# Altium PCB Jetson AGX Xavier Carrier Board.PcbDoc (part 2 of 4) (continued)
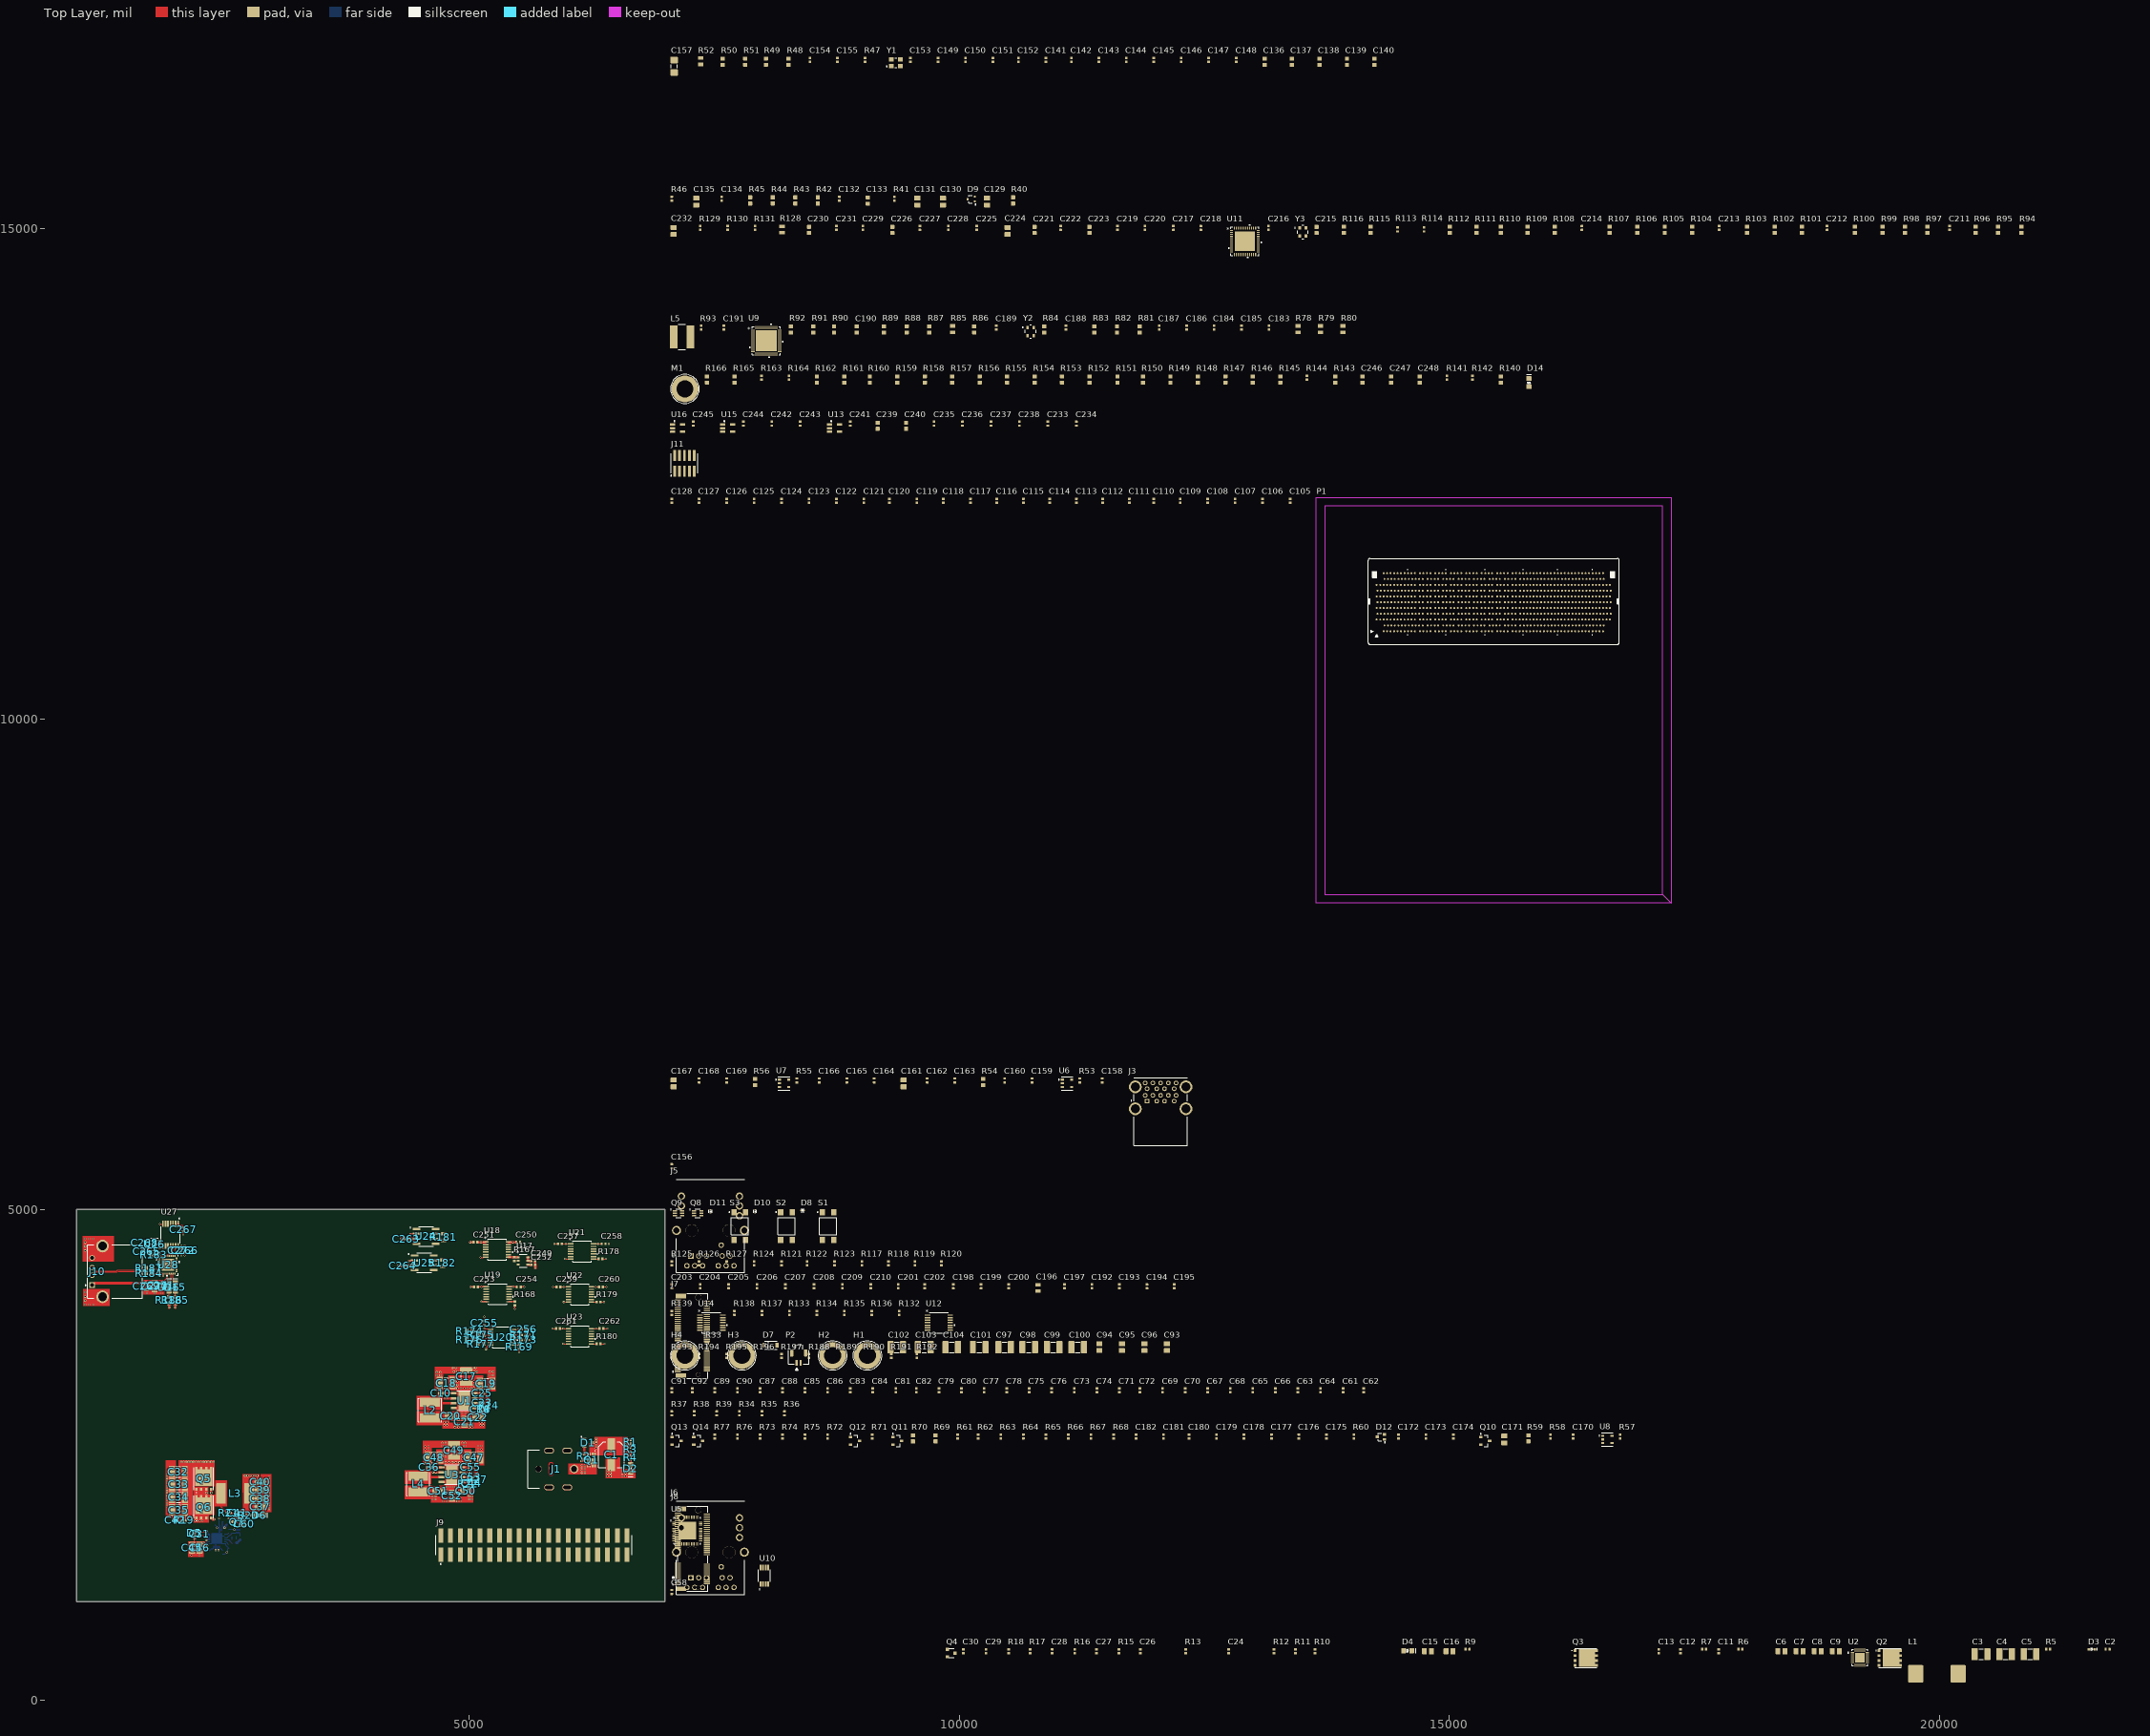
[diagram p0: Top Layer view]
## Footprints (in the part's own frame and the unit in brackets; to place one, negate y for a bottom-side part, rotate by r counter-clockwise, add the part's x,y. Pads: shape width x height; smd on the part's side, far side on the other; paste and mask are expansions set on the pad) (continued)
  round 0.5 on Top Overlay: ""(-30.4,-7.5)
  Top Layer keep-out region: 43.7,-75.665 43.7,24.935 -43.9,24.935 -43.9,-75.665 43.7,-75.665 45.9,-77.865 -46.1,-77.865 -46.1,27.135 45.9,27.135 45.9,-77.865
  silkscreen extent -32.61,-10.96 32.41,11.36, body extent -32.45,-10.8 32.25,11.2, height 7.66
AP2171DWG-7 [mm]
  rrect5% 0.8x0.55 smd mask+0: 1(-1.2,0.95) 2(-1.2,0) 3(-1.2,-0.95) 4(1.2,-0.95) 5(1.2,0.95)
  silkscreen extent -2.19,-1.7 1.5,1.7, body extent -1.5,-1.55 1.5,1.55, height 1.45
ASTMLPE_ABR [mil]
  rect 28x35 smd paste+0: 1(-31.5,41.35) 2(-31.5,-41.35) 3(31.5,-41.35) 4(31.5,41.35)
  silkscreen extent -84,-69 55,69, body extent -46,-64 46,64, height 32
BZX84-C27,215 [mm] "DIODE ZENER 27V 250MW TO236AB"
  rrect15% 0.7x1 smd mask+0.1: 1(0.95,1) 2(-0.95,1) 3(0,-1)
  silkscreen extent 1.38,1.6 1.62,1.85, body extent -1.5,-1.25 1.5,1.25, height 1.11
CAP0402 [mm] "Chip Capacitor, Body 1x0.5mm, Height 0.35mm, IPC Medium Density"
  rrect15% 0.6x0.7 smd: 1(-0.5,0) 2(0.5,0)
  body extent -0.52,-0.28 0.52,0.28, height 0.54
CAP0603 [mm]
  rrect20% 1x1.1 smd: 1(-0.8,0) 2(0.8,0)
  body extent -0.87,-0.48 0.88,0.48, height 0.87
CAP0805 [mm] "Chip Capacitor, Body 2.0x1.2mm, Height 0.45mm, IPC Medium Density"
  rrect15% 0.9x1.4 smd: 1(-0.825,0) 2(0.825,0)
  body extent -1.1,-0.73 1.1,0.73, height 1.39
CAP1206 [mm] "Chip Capacitor, Body 3.2x1.6mm, Height 0.55mm, IPC Medium Density"
  rrect20% 1.75x1.9 smd: 1(-1.6,0) 2(1.6,0)
  silkscreen extent -0.45,-0.8 0.45,0.8, body extent -1.7,-0.9 1.7,0.9, height 0.88
CAP1210 [mm]
  rrect15% 1.6x3.15 smd: 1(-1.625,0) 2(1.625,0)
  silkscreen extent -0.6,-1.35 0.6,1.35, body extent -1.7,-1.35 1.7,1.35, height 2.1
CAP2012 [mm]
  rrect20% 1.25x1.6 smd: 1(-0.895,0) 2(0.895,0)
  body extent -1.1,-0.7 1.1,0.75, height 1.41
CUI_PJ-082BH [mm]
  round 2.25 hole 1.5: 1(5.5,0)
  rect 0.1x0.635 smd: 2(-1,0.2)
  oval 2.5x1.5 hole 0.8 slot 2 at 0 deg: 2(-1,4.75) ""(-1,-4.75) ""(3.7,-4.75) ""(3.7,4.75)
  round 0.8 hole 0.85 slot 2.1 at 90 deg: 2(-0.5,0)
  round 1.7 hole 1.7 unplated: ""(-3.75,0)
  Top Layer lines w0.3: -2.15,-4.75 cw(c-1.6,-4.75) -1.6,-4.2 -0.4,-4.2 cw(c-0.4,-4.75) 0.15,-4.75 cw(c-0.4,-4.75) -0.4,-5.3 -1.6,-5.3 cw(c-1.6,-4.75) -2.15,-4.75 ; -2.15,4.75 cw(c-1.6,4.75) -1.6,5.3 -0.4,5.3 cw(c-0.4,4.75) 0.15,4.75 cw(c-0.4,4.75) -0.4,4.2 -1.6,4.2 cw(c-1.6,4.75) -2.15,4.75 ; -1.05,-1.1 ccw(c-0.5,-1.1) -0.5,-1.65 ccw(c-0.5,-1.1) 0.05,-1.1 0.05,1.1 ccw(c-0.5,1.1) -0.5,1.65 ccw(c-0.5,1.1) -1.05,1.1 -1.05,-1.1 ; 2.55,-4.75 cw(c3.1,-4.75) 3.1,-4.2 4.3,-4.2 cw(c4.3,-4.75) 4.85,-4.75 cw(c4.3,-4.75) 4.3,-5.3 3.1,-5.3 cw(c3.1,-4.75) 2.55,-4.75 ; 2.55,4.75 cw(c3.1,4.75) 3.1,5.3 4.3,5.3 cw(c4.3,4.75) 4.85,4.75 cw(c4.3,4.75) 4.3,4.2 3.1,4.2 cw(c3.1,4.75) 2.55,4.75
  Bottom Layer lines w0.3: -2.15,-4.75 cw(c-1.6,-4.75) -1.6,-4.2 -0.4,-4.2 cw(c-0.4,-4.75) 0.15,-4.75 cw(c-0.4,-4.75) -0.4,-5.3 -1.6,-5.3 cw(c-1.6,-4.75) -2.15,-4.75 ; -2.15,4.75 cw(c-1.6,4.75) -1.6,5.3 -0.4,5.3 cw(c-0.4,4.75) 0.15,4.75 cw(c-0.4,4.75) -0.4,4.2 -1.6,4.2 cw(c-1.6,4.75) -2.15,4.75 ; -1.05,-1.1 ccw(c-0.5,-1.1) -0.5,-1.65 ccw(c-0.5,-1.1) 0.05,-1.1 0.05,1.1 ccw(c-0.5,1.1) -0.5,1.65 ccw(c-0.5,1.1) -1.05,1.1 -1.05,-1.1 ; 2.55,-4.75 cw(c3.1,-4.75) 3.1,-4.2 4.3,-4.2 cw(c4.3,-4.75) 4.85,-4.75 cw(c4.3,-4.75) 4.3,-5.3 3.1,-5.3 cw(c3.1,-4.75) 2.55,-4.75 ; 2.55,4.75 cw(c3.1,4.75) 3.1,5.3 4.3,5.3 cw(c4.3,4.75) 4.85,4.75 cw(c4.3,4.75) 4.3,4.2 3.1,4.2 cw(c3.1,4.75) 2.55,4.75
  silkscreen extent -6.5,-5 -3.5,5, body extent -6.52,-5.12 6.61,5.08, height 10.15
DMP3007SFG-7 [mm]
  rect 1.55x2.37 smd: 1(0.375,0)
  rrect15% 0.75x0.42 smd: 1(1.475,0.975) 1(1.475,-0.325) 1(1.475,0.325) 1(1.475,-0.975)
  rect 0.75x0.42 smd: 2(-1.5,-0.975) 3(-1.5,0.975) 3(-1.5,-0.325) 3(-1.5,0.325)
  silkscreen extent -2.42,0.95 -2.38,1
FT232RQ-REEL_FTD [mil]
  rect 20x12 smd paste+0 mask+0: 1(-88.43,68.9) 2(-88.43,49.21) 3(-88.43,29.53) 4(-88.43,9.84) 5(-88.43,-9.84) 6(-88.43,-29.53) 7(-88.43,-49.21) 8(-88.43,-68.9) 17(88.43,-68.9) 18(88.43,-49.21) 19(88.43,-29.53) 20(88.43,-9.84) 21(88.43,9.84) 22(88.43,29.53) 23(88.43,49.21) 24(88.43,68.9)
  rect 12x20 smd paste+0 mask+0: 9(-68.9,-88.43) 10(-49.21,-88.43) 11(-29.53,-88.43) 12(-9.84,-88.43) 13(9.84,-88.43) 14(29.53,-88.43) 15(49.21,-88.43) 16(68.9,-88.43) 25(68.9,88.43) 26(49.21,88.43) 27(29.53,88.43) 28(9.84,88.43) 29(-9.84,88.43) 30(-29.53,88.43) 31(-49.21,88.43) 32(-68.9,88.43)
  rect 126x126 smd paste-62.5 mask+0: 33(0,0)
  silkscreen extent -105,-118 118,118, body extent -100,-100 100,100, height 65
FTSH-105-01-F-DV-K-P-TR [mil] "Samtec programming header 10 positions"
  rect 29x110 smd mask+2: 1(-100,-80) 2(-100,80) 3(-50,-80) 4(-50,80) 5(0,-80) 6(0,80) 7(50,-80) 8(50,80) 9(100,-80) 10(100,80)
  silkscreen extent -140,-130 135,100, body extent -125,-175 125,115, height 276
IND_BOURNS_SRN6045 [mil]
  rect 79x236 smd paste+0 mask+0: 1(-85,0) 2(85,0)
  silkscreen extent -36,-127 36,127, body extent -118,-118 118,118, height 177
IND_BOURNS_SRP1250 [mm]
  rrect15% 4x4.5 smd: 1(-5.5,0) 2(5.5,0)
  body extent -6.95,-6.74 6.95,6.74, height 5.94
IND_SRN6045TA-3R3Y [mm]
  rect 2.35x5.1 smd: 1(-2.075,0) 2(2.075,0)
  silkscreen extent -3,-3 3,3, body extent -3,-3 3,3, height 4.2
IND_VISHAY_IHLP3232DZER2R2M11 [mil]
  rrect15% 95x210 smd: 1(-142.5,0) 2(142.5,0)
  body extent -169,-153 169,169, height 152
KSZ9131RNXI [mil]
  rect 30x10 smd paste+0 mask+0: 1(-136,108.27) 2(-136,88.58) 3(-136,68.9) 4(-136,49.21) 5(-136,29.53) 6(-136,9.84) 7(-136,-9.84) 8(-136,-29.53) 9(-136,-49.21) 10(-136,-68.9) 11(-136,-88.58) 12(-136,-108.27) 25(136,-108.27) 26(136,-88.58) 27(136,-68.9) 28(136,-49.21) 29(136,-29.53) 30(136,-9.84) 31(136,9.84) 32(136,29.53) 33(136,49.21) 34(136,68.9) 35(136,88.58) 36(136,108.27)
  rect 10x30 smd paste+0 mask+0: 13(-108.27,-136) 14(-88.58,-136) 15(-68.9,-136) 16(-49.21,-136) 17(-29.53,-136) 18(-9.84,-136) 19(9.84,-136) 20(29.53,-136) 21(49.21,-136) 22(68.9,-136) 23(88.58,-136) 24(108.27,-136) 37(108.27,136) 38(88.58,136) 39(68.9,136) 40(49.21,136) 41(29.53,136) 42(9.84,136) 43(-9.84,136) 44(-29.53,136) 45(-49.21,136) 46(-68.9,136) 47(-88.58,136) 48(-108.27,136)
  rect 203x203 smd paste-101 mask+0: 49(0,0)
  silkscreen extent -171,-171 171,171, body extent -139,-139 139,139, height 36
LAN7430-I/Y9X-ND [mil]
  rect 36x10 smd paste+0 mask+0: 1(-136,108.27) 2(-136,88.58) 3(-136,68.9) 4(-136,49.21) 5(-136,29.53) 6(-136,9.84) 7(-136,-9.84) 8(-136,-29.53) 9(-136,-49.21) 10(-136,-68.9) 11(-136,-88.58) 12(-136,-108.27) 25(136,-108.27) 26(136,-88.58) 27(136,-68.9) 28(136,-49.21) 29(136,-29.53) 30(136,-9.84) 31(136,9.84) 32(136,29.53) 33(136,49.21) 34(136,68.9) 35(136,88.58) 36(136,108.27)
  rect 10x36 smd paste+0 mask+0: 13(-108.27,-136) 14(-88.58,-136) 15(-68.9,-136) 16(-49.21,-136) 17(-29.53,-136) 18(-9.84,-136) 19(9.84,-136) 20(29.53,-136) 21(49.21,-136) 22(68.9,-136) 23(88.58,-136) 24(108.27,-136) 37(108.27,136) 38(88.58,136) 39(68.9,136) 40(49.21,136) 41(29.53,136) 42(9.84,136) 43(-9.84,136) 44(-29.53,136) 45(-49.21,136) 46(-68.9,136) 47(-88.58,136) 48(-108.27,136)
  rect 213x213 smd paste-106 mask+0: 49(0,0)
  silkscreen extent -174,-174 174,174
LED_0805_GREEN [mm] "SMD, 2-Leads, Body 2x1.25mm"
  rrect20% 1.3x1.3 smd: 1(-1.05,0) 2(1.05,0)
  silkscreen extent -0.18,-0.63 2.11,0.64, body extent -1,-0.62 1,0.63, height 1.12
M3_SMT_4-0MM [mm]
  round 7 hole 4.4: 0(0,0)
  silkscreen extent -3.75,-3.75 3.75,3.75, body extent -3,-3 3,3, height 4.01
MMBT4401-7-F [mm]
  rect 0.9x0.8 smd: 1(-1,0.95) 2(-1,-0.95) 3(1,0)
  silkscreen extent -0.67,-1.17 0.67,1.17, body extent -1.2,-1.45 1.2,1.45, height 1.1
MOLEX_0484060003 [mm]
  rect 1.208x1.208 hole 0.7: 1(-3.5,2)
  round 1.208 hole 0.7: 2(-1,2) 3(1,2) 4(3.5,2) 5(4,3.5) 6(2,3.5) 7(0,3.5) 8(-2,3.5) 9(-4,3.5) 10(-3.5,5.2) 11(-1,5.2) 12(1,5.2) 13(3.5,5.2) 14(4,6.7) 15(2,6.7) 16(0,6.7) 17(-2,6.7) 18(-4,6.7)
  round 3.316 hole 2.3: S1(-6.57,0) S2(6.57,0) S3(6.57,5.68) S4(-6.57,5.68)
  silkscreen extent -7.7,-9.44 6.9,8.02, body extent -7.87,-9.49 7.8,7.97, height 16.2
MOSFET_CSD19531Q5A [mm]
  rect 0.75x0.675 smd paste-1: 1(-2.776,-0.66) 1(-2.776,0.66) 1(-2.776,1.917) 2(-2.776,-1.917)
  rect 4.295x4.51 smd paste-3: 3(0.301,0)
  rect 0.655x0.675 smd paste-1: 3(2.776,-1.917) 3(2.776,-0.66) 3(2.776,0.66) 3(2.776,1.917)
  silkscreen extent -3.63,-2.5 2.9,2.5, body extent -3,-2.45 3,2.45, height 1.1
"ON SEMI SOD-123" [mm]
  rrect12% 0.91x1.22 smd: 1(-1.64,0) 2(1.64,0)
  silkscreen extent -1.58,-1.06 1.58,1.06, body extent -1.86,-0.9 1.86,0.9, height 1.35
PULSE_J0G-0003NL [mm]
  rect 1.398x1.398 hole 0.89: 1(-5.075,-6.6)
  round 1.398 hole 0.89: 2(-3.045,-6.6) 3(-1.015,-6.6) 4(2.8,-3.8) 5(3.045,-6.6) 6(5.075,-6.6) 7(-6.095,-9.14) 8(-4.065,-9.14) 9(-2.035,-9.14) 10(2.035,-9.14) 11(4.065,-9.14) 12(6.095,-9.14)
  round 1.905 hole 1.27: 13(-7.52,6.35) 14(-7.52,8.89) 15(7.52,3.81) 16(7.52,6.35) 17(7.52,8.89)
  round 2.355 hole 1.57: SH1(-8.79,0) SH2(8.79,0)
  round 3.2 hole 3.2 unplated: ""(-4.825,0) ""(4.825,0)
  silkscreen extent -9.86,-10.92 8.79,13.21, body extent -8.9,-10.58 9.08,13.98, height 11.31
QFN40P700X700X100-57N [mm]
  rrect25% 0.84x0.22 smd: 1(-3.435,2.6) 2(-3.435,2.2) 3(-3.435,1.8) 4(-3.435,1.4) 5(-3.435,1) 6(-3.435,0.6) 7(-3.435,0.2) 8(-3.435,-0.2) 9(-3.435,-0.6) 10(-3.435,-1) 11(-3.435,-1.4) 12(-3.435,-1.8) 13(-3.435,-2.2) 14(-3.435,-2.6) 29(3.435,-2.6) 30(3.435,-2.2) 31(3.435,-1.8) 32(3.435,-1.4) 33(3.435,-1) 34(3.435,-0.6) 35(3.435,-0.2) 36(3.435,0.2) 37(3.435,0.6) 38(3.435,1) 39(3.435,1.4) 40(3.435,1.8) 41(3.435,2.2) 42(3.435,2.6)
  rrect25% 0.22x0.84 smd: 15(-2.6,-3.435) 16(-2.2,-3.435) 17(-1.8,-3.435) 18(-1.4,-3.435) 19(-1,-3.435) 20(-0.6,-3.435) 21(-0.2,-3.435) 22(0.2,-3.435) 23(0.6,-3.435) 24(1,-3.435) 25(1.4,-3.435) 26(1.8,-3.435) 27(2.2,-3.435) 28(2.6,-3.435) 43(2.6,3.435) 44(2.2,3.435) 45(1.8,3.435) 46(1.4,3.435) 47(1,3.435) 48(0.6,3.435) 49(0.2,3.435) 50(-0.2,3.435) 51(-0.6,3.435) 52(-1,3.435) 53(-1.4,3.435) 54(-1.8,3.435) 55(-2.2,3.435) 56(-2.6,3.435)
  rect 4.6x4.6 smd paste-3: 57(0,0)
  silkscreen extent -4.39,-3.5 3.5,3.5, body extent -3.5,-3.5 3.5,3.5, height 0.98
QFN50P400X400X80-25N [mm]
  rrect25% 0.89x0.26 smd: 1(-1.94,1.25) 2(-1.94,0.75) 3(-1.94,0.25) 4(-1.94,-0.25) 5(-1.94,-0.75) 6(-1.94,-1.25) 13(1.94,-1.25) 14(1.94,-0.75) 15(1.94,-0.25) 16(1.94,0.25) 17(1.94,0.75) 18(1.94,1.25)
  rrect25% 0.26x0.89 smd: 7(-1.25,-1.94) 8(-0.75,-1.94) 9(-0.25,-1.94) 10(0.25,-1.94) 11(0.75,-1.94) 12(1.25,-1.94) 19(1.25,1.94) 20(0.75,1.94) 21(0.25,1.94) 22(-0.25,1.94) 23(-0.75,1.94) 24(-1.25,1.94)
  rect 2.45x2.45 smd paste-0.455: 25(0,0)
  silkscreen extent -3.13,-2.07 2.07,2.07, body extent -2,-2 2,2, height 0.8
RADIAL_CORNELL_D [mm] "Size D radial surface mount capacitor"
  rrect15% 2x3.5 smd: 1(0,-2.5) 2(0,2.5)
  silkscreen extent -3.3,-3.3 3.3,3.3, body extent -3.3,-3.62 3.3,3.67, height 5.9
RES0402 [mm] "Chip Resistor, Body 1x0.5mm, IPC Medium Density"
  rrect15% 0.6x0.7 smd: 1(-0.5,0) 2(0.5,0)
  body extent -0.5,-0.25 0.5,0.25, height 0.27
RES0603 [mm] "Chip Resistor, Body 1.6x0.8mm, IPC Medium Density"
  rrect15% 1x1.1 smd: 1(0,0) 2(1.6,0)
  body extent 0,-0.4 1.6,0.4, height 0.46
RES0805 [mm] "Chip Resistor, 2-Leads, Body 2.00x1.25mm, IPC High Density"
  rrect15% 0.9x1.4 smd: 1(-0.825,0) 2(0.825,0)
  body extent -1,-0.62 1,0.63, height 0.61
SAMTEC_TSM-120-01-S-DV-P-TR [mm]
  rect 1.27x3.68 smd: 01(24.13,2.475) 02(24.13,-2.475) 03(21.59,2.475) 04(21.59,-2.475) 05(19.05,2.475) 06(19.05,-2.475) 07(16.51,2.475) 08(16.51,-2.475) 09(13.97,2.475) 10(13.97,-2.475) 11(11.43,2.475) 12(11.43,-2.475) 13(8.89,2.475) 14(8.89,-2.475) 15(6.35,2.475) 16(6.35,-2.475) 17(3.81,2.475) 18(3.81,-2.475) 19(1.27,2.475) 20(1.27,-2.475) 21(-1.27,2.475) 22(-1.27,-2.475) 23(-3.81,2.475) 24(-3.81,-2.475) 25(-6.35,2.475) 26(-6.35,-2.475) 27(-8.89,2.475) 28(-8.89,-2.475) 29(-11.43,2.475) 30(-11.43,-2.475) 31(-13.97,2.475) 32(-13.97,-2.475) 33(-16.51,2.475) 34(-16.51,-2.475) 35(-19.05,2.475) 36(-19.05,-2.475) 37(-21.59,2.475) 38(-21.59,-2.475) 39(-24.13,2.475) 40(-24.13,-2.475)
  silkscreen extent -25.4,-2.54 25.4,5
SOD523 [mm] "ESD5Z3.3T1G"
  rrect15% 0.7x0.6 smd: 1(-0.76,0) 2(0.76,0)
  silkscreen extent -0.18,-0.3 1.35,0.31, body extent -0.8,-0.4 0.8,0.4, height 0.7
SOD-923 [mm]
  rrect15% 0.35x0.45 smd mask+0.05: 1(-0.437,0) 2(0.437,0)
  silkscreen extent -0.4,-0.4 0.4,0.4, body extent -0.53,-0.32 0.53,0.32, height 0.43
SOIC127P599X175-8N [mm]
  rrect25% 1.97x0.6 smd: 1(-2.47,1.905) 2(-2.47,0.635) 3(-2.47,-0.635) 4(-2.47,-1.905) 5(2.47,-1.905) 6(2.47,-0.635) 7(2.47,0.635) 8(2.47,1.905)
  silkscreen extent -4.14,-2.52 1.95,2.52, body extent -3,-2.45 3,2.45, height 1.75
SOP65P490X110-8N [mm]
  rrect25% 1.47x0.48 smd: 1(-2.15,0.975) 2(-2.15,0.325) 3(-2.15,-0.325) 4(-2.15,-0.975) 5(2.15,-0.975) 6(2.15,-0.325) 7(2.15,0.325) 8(2.15,0.975)
  silkscreen extent -3.62,-1.54 1.5,1.54, body extent -2.45,-1.5 2.45,1.5, height 1.1
SOP65P640X120-14N [mm]
  rrect25% 1.57x0.41 smd: 1(-2.87,1.95) 2(-2.87,1.3) 3(-2.87,0.65) 4(-2.87,0) 5(-2.87,-0.65) 6(-2.87,-1.3) 7(-2.87,-1.95) 8(2.87,-1.95) 9(2.87,-1.3) 10(2.87,-0.65) 11(2.87,0) 12(2.87,0.65) 13(2.87,1.3) 14(2.87,1.95)
  silkscreen extent -4.34,-2.5 2.2,2.5, body extent -3.2,-2.5 3.2,2.5, height 1.2
SOT23-3 [mm] "SOT23, 3-Leads, Body 2.90x2.30mm, Pitch 0.95mm, IPC Medium Density"
  rect 0.9x0.6 smd: 1(-1.15,0.95) 2(-1.15,-0.95) 3(1.15,0)
  silkscreen extent -1.27,-1.5 0.7,1.92, body extent -1.3,-1.5 1.3,1.5, height 1.1
SOT23-5 [mm] "SOT-23-5, Unidirectional level shifter"
  rrect15% 1.3x0.63 smd: 1(-1.279,0.95) 2(-1.279,0) 3(-1.279,-0.95) 4(1.279,-0.95) 5(1.279,0.95)
  silkscreen extent -0.99,1.66 -0.71,1.94, body extent -1.4,-1.45 1.4,1.45, height 1.2
SOT323 [mm]
  rect 0.55x0.5 smd: 1(0.925,-0.65) 2(0.925,0.65)
  rect 0.55x0.6 smd: 3(-0.925,0)
  silkscreen extent -0.64,-1.52 1.18,1, body extent -1.05,-1 1.05,1, height 1.11
SOT323_BAS70W-05-7-F [mm]
  rect 0.9x0.7 smd: 1(0.95,-0.65) 2(0.95,0.65) 3(-0.95,0)
  silkscreen extent -0.64,-1.52 1.18,1, body extent -1.05,-1 1.05,1, height 1.11
SOT363 [mm]
  rrect50% 1.06x0.39 smd: 1(-0.935,0.65) 2(-0.935,0) 3(-0.935,-0.65) 4(0.935,-0.65) 5(0.935,0) 6(0.935,0.65)
  silkscreen extent -2.1,-1.16 0.68,1.16, body extent -1.05,-1 1.05,1, height 1.01
SW_TL3305AF260QG [mm]
  rect 1.4x1.6 smd: 1(-1.5,3.6) 2(-1.5,-3.6) 3(1.5,3.6) 4(1.5,-3.6)
  silkscreen extent -2.8,-2.25 2.25,3.7, body extent -2.25,-3.75 2.25,3.75, height 3.7
T1M-02-F-SV-L [mm]
  rrect25% 0.8x1.8 smd: 0(-1.8,1.288) 0(1.8,1.288)
  rrect25% 0.6x1.55 smd: 1(-0.5,-1.287) 2(0.5,-1.287)
  silkscreen extent -2.63,-3.19 2.63,3.33, body extent -2.2,-1.86 2.2,3.09, height 5.51
TE_2199119-4 [mm]
  rect 0.3x1.55 smd: 1(-9.25,5.275) 2(-9,-2.275) 3(-8.75,5.275) 4(-8.5,-2.275) 5(-8.25,5.275) 6(-8,-2.275) 7(-7.75,5.275) 8(-7.5,-2.275) 9(-7.25,5.275) 10(-7,-2.275) 11(-6.75,5.275) 12(-6.5,-2.275) 13(-6.25,5.275) 14(-6,-2.275) 15(-5.75,5.275) 16(-5.5,-2.275) 17(-5.25,5.275) 18(-5,-2.275) 19(-4.75,5.275) 20(-4.5,-2.275) 21(-4.25,5.275) 22(-4,-2.275) 23(-3.75,5.275) 32(-1.5,-2.275) 33(-1.25,5.275) 34(-1,-2.275) 35(-0.75,5.275) 36(-0.5,-2.275) 37(-0.25,5.275) 38(0,-2.275) 39(0.25,5.275) 40(0.5,-2.275) 41(0.75,5.275) 42(1,-2.275) 43(1.25,5.275) 44(1.5,-2.275) 45(1.75,5.275) 46(2,-2.275) 47(2.25,5.275) 48(2.5,-2.275) 49(2.75,5.275) 50(3,-2.275) 51(3.25,5.275) 52(3.5,-2.275) 53(3.75,5.275) 54(4,-2.275) 55(4.25,5.275) 56(4.5,-2.275) 57(4.75,5.275) 58(5,-2.275) 59(5.25,5.275) 60(5.5,-2.275) 61(5.75,5.275) 62(6,-2.275) 63(6.25,5.275) 64(6.5,-2.275) 65(6.75,5.275) 66(7,-2.275) 67(7.25,5.275) 68(7.5,-2.275) 69(7.75,5.275) 70(8,-2.275) 71(8.25,5.275) 72(8.5,-2.275) 73(8.75,5.275) 74(9,-2.275) 75(9.25,5.275)
  rect 1.2x2.75 smd: SH1(-10.35,4.5) SH2(10.35,4.5)
  round 1.1 hole 1.1 unplated: ""(-10,0)
  round 1.6 hole 1.6 unplated: ""(10,0)
  silkscreen extent -10.95,-2.5 10.95,6.62
TPS3808G33MDBVREP [mil]
  rect 30.5x20 smd paste+0 mask+0: 1(-49.75,37.4) 2(-49.75,0) 3(-49.75,-37.4) 4(49.75,-37.4) 5(49.75,0) 6(49.75,37.4)
  silkscreen extent -40,-65 40,65, body extent -59,-60 59,60, height 57
"USB-A 2.0 Connector" [mm]
  rect 1.428x1.428 hole 0.92: 1(-3.5,2.71)
  round 1.428 hole 0.92: 2(-1,2.71) 3(1,2.71) 4(3.5,2.71)
  round 3.276 hole 2.26: S1(-6.57,0) S2(6.57,0)
  silkscreen extent -6.9,-10.28 6.9,4.5
VREG_LM5017MR/NOPB [mm]
  rrect5% 1.55x0.6 smd mask+0: 1(-2.7,1.905) 2(-2.7,0.635) 3(-2.7,-0.635) 4(-2.7,-1.905) 5(2.7,-1.905) 6(2.7,-0.635) 7(2.7,0.635) 8(2.7,1.905)
  rect 2.95x4.9 smd paste-3 mask+0: 9(0,0)
  silkscreen extent -4.17,-2.52 1.95,2.52, body extent -3,-2.45 3,2.45, height 1.7
XTAL_ECS-250-20-33-CKM-TR [mm]
  rect 1.3x1.1 smd: 1(-1.15,-0.9) 2(1.15,-0.9) 3(1.15,0.9) 4(-1.15,0.9)
  silkscreen extent -2.45,-1.25 0.27,1.25, body extent -1.62,-1.25 1.58,1.25, height 0.8

## Part data
C1: "CAP ALUM POLY HYB 47UF 35V SMD", Manufacturer 1="Cornell Dubilier Electronics (CDE)", Manufacturer Part Number 1=HZA476M035D16T-F, Package/Footprint=SMD, Supplier Part Number 1=HZA476M035D16T-FCT-ND, Voltage Rating=35V, Mounting Type=SMD, Supplier 1=Digi-Key
C2 C11 C31 C41: "0.22 µF ±10% 25V Ceramic Capacitor X5R 0402 (1005 Metric)", Capacitance=220nF, Capacitor Type=Ceramic, Manufacturer=Yageo, Manufacturer Part Number=CC0402KRX5R8BB224, Max Operating Temperature=125°C, Min Operating Temperature=-55°C, Negative Tolerance=5, Package Shape=Rectangular, Package Style=SMTMeter, Positive Tolerance=5%, Rated DC Voltage (URdc)=25V, Supplier Part Number 1=311-3341-1-ND, Temperature Characteristics Code=X5R, Category="Ceramic Capacitors", Dielectric Material=Ceramic, Height=0.5mm, JESD-609 Code=e3, Length=1mm, Mount="Surface Mount", Multilayer=Yes, Number of Pins=2, Pricing 1="1=0.10000, 10=0.04000, 50=0.02200, 100=0.01800, 500=0.01288, 1000=0.01012, 2500=0.00920, 5000=0.00846 (USD)", REACH SVHC=Yes, RoHS=Yes, RoHS Compliant=Yes, Size Code=0402, Supplier 1=Digi-Key, Termination=Wraparound, Width=0.5mm
C3 C4 C5 C17 C18 C19 C32 C33 C34 C35 C47 C48 C49 C97 C98 C99 C100 C101 C102 C103 C104: "CAP CER 10UF 50V X7R 1210", Dielectric=X7R, Manufacturer 1="Murata Electronics", Manufacturer Part Number 1=GRM32ER71H106MA12L, Supplier Part Number 1=490-12775-1-ND, Voltage Rating=50V, Supplier 1=Digi-Key
C6 C7 C8 C9 C15 C16 C37 C38 C39 C40 C45 C46 C93 C94 C95 C96 C161 C167 C171: "CAP CER 10UF 16V X5R 0805", Dielectric=X5R, Manufacturer 1=Yageo, Manufacturer Part Number 1=CC0805KKX5R7BB106, Package/Footprint=0805, Supplier Part Number 1=311-1865-1-ND, Voltage Rating=16V, Mounting Type=SMD, Supplier 1=Digi-Key
C10 C28 C36 C58 C132 C141 C142 C143 C144 C145 C146 C147 C148 C149 C150 C151 C152 C153 C158 C159 C160 C162 C163 C164 C165 C166 C168 C169 C170 C172 C173 C175 C176 C177 C178 C179 C180 C181 C182 C211 C212 C213 C214 C216 C217 C218 C222 C225 C227 C229: "Ceramic Capacitor, Ceramic", Capacitance=0.1uF, Capacitor Type=Ceramic, Manufacturer="Taiyo Yuden", Manufacturer Part Number=LMK212AC6106MD-T, Max Operating Temperature=125°C, Min Operating Temperature=-55°C, Negative Tolerance=10%, Package Shape=Rectangular, Package Style=SMTMeter, Rated DC Voltage (URdc)=16V, Supplier Part Number 1=587-6337-1-ND, Temperature Characteristics Code=X7R, Category="Ceramic Capacitors", ComponentLink1Description=https://datasheet.ciiva.com:443/pdfs/VipMasterIC/IC/TAIY/TAIY-S-A0009099504/TAIY-S-A0009099407-1.pdf?src-supplier=IHS+Markit, ComponentLink1URL=https://datasheet.ciiva.com:443/pdfs/VipMasterIC/IC/TAIY/TAIY-S-A0009099504/TAIY-S-A0009099407-1.pdf?src-supplier=IHS+Markit, ComponentLink2Description="https://ds.yuden.co.jp/TYCOMPAS/ut/detail?pn=LMK212AC6106MD-T &amp;u=M&src-supplier=Digi-Key", ComponentLink2URL="https://ds.yuden.co.jp/TYCOMPAS/ut/detail?pn=LMK212AC6106MD-T &amp;u=M&src-supplier=Digi-Key", ComponentLink3Description=https://datasheet.ciiva.com:443/pdfs/VipMasterIC/IC/WATC/WATC-S-A0009550342/WATC-S-A0009550342-1.pdf?src-supplier=IHS+Markit, ComponentLink3URL=https://datasheet.ciiva.com:443/pdfs/VipMasterIC/IC/WATC/WATC-S-A0009550342/WATC-S-A0009550342-1.pdf?src-supplier=IHS+Markit, ComponentLink4Description=http://www.farnell.com/datasheets/2340522.pdf?src-supplier=Farnell, ComponentLink4URL=http://www.farnell.com/datasheets/2340522.pdf?src-supplier=Farnell, ComponentLink5Description=http://components.arrow.com/part/dataview/0323_00654690?src-supplier=Arrow+Europe, ComponentLink5URL=http://components.arrow.com/part/dataview/0323_00654690?src-supplier=Arrow+Europe, ComponentLink6Description=https://www.verical.com/server-webapp/html/getDatasheet?partID=415228&src-supplier=Verical, ComponentLink6URL=https://www.verical.com/server-webapp/html/getDatasheet?partID=415228&src-supplier=Verical, ComponentLink7Description=http://www.passivecomponent.com/indexsea/0402B104K160CT-IN.pdf?src-supplier=Digi-Key, ComponentLink7URL=http://www.passivecomponent.com/indexsea/0402B104K160CT-IN.pdf?src-supplier=Digi-Key, ComponentLink8Description=http://www.passivecomponent.com/wp-content/uploads/2018/10/MLCC.pdf?src-supplier=Digi-Key, ComponentLink8URL=http://www.passivecomponent.com/wp-content/uploads/2018/10/MLCC.pdf?src-supplier=Digi-Key, ComponentLink9Description=http://www.farnell.com/datasheets/2340522.pdf?src-supplier=Element14, ComponentLink9URL=http://www.farnell.com/datasheets/2340522.pdf?src-supplier=Element14, ComponentLink10Description=http://www.farnell.com/datasheets/2340522.pdf?src-supplier=Newark, ComponentLink10URL=http://www.farnell.com/datasheets/2340522.pdf?src-supplier=Newark, ComponentLink11Description=https://datasheet.ciiva.com:443/pdfs/VipMasterIC/IC/TDKC/TDKC-S-A0007785269/TDKC-S-A0007785269-1.pdf?src-supplier=IHS+Markit, ComponentLink11URL=https://datasheet.ciiva.com:443/pdfs/VipMasterIC/IC/TDKC/TDKC-S-A0007785269/TDKC-S-A0007785269-1.pdf?src-supplier=IHS+Markit, ComponentLink12Description=https://product.tdk.com/info/en/catalog/spec/mlccspec_commercial_soft_en.pdf?src-supplier=Digi-Key, ComponentLink12URL=https://product.tdk.com/info/en/catalog/spec/mlccspec_commercial_soft_en.pdf?src-supplier=Digi-Key, Dielectric Material=Ceramic, Height=0.5mm, JESD-609 Code=e3, Length=1mm, Mount="Surface Mount", Multilayer=Yes, Number of Pins=2, Packaging="Tape and Reel", Positive Tolerance=10%, Pricing 1="1=0.29000, 10=0.20100, 50=0.12060, 100=0.10180, 500=0.06966, 1000=0.06163 (USD)", Pricing 2="1=0.10000, 10=0.02800, 50=0.01500, 100=0.01220, 500=0.00876, 1000=0.00688, 2500=0.00625, 5000=0.00575 (USD)", Pricing 3="1=0.20000, 10=0.14200, 50=0.08080, 100=0.06700, 500=0.04696, 1000=0.03888, 2500=0.03619, 5000=0.03311 (USD)", REACH SVHC=Yes, RoHS=Yes, RoHS Compliant=Yes, Size Code=0402, Stock 1=703, Stock 2=20327886, Stock 3=3627, Supplier 1=Digi-Key, Supplier 2=Digi-Key, Supplier 3=Digi-Key, Supplier Part Number 2=1292-1630-1-ND, Supplier Part Number 3=445-173645-1-ND, Terminal Finish=Nickel, Termination=Wraparound, Width=0.5mm
C12 C23 C42 C53: "±10% 25V Ceramic Capacitor X5R 0402 (1005 Metric)", Capacitance=1uF, Manufacturer 1="TDK Corporation", Manufacturer Part Number 1=C1005X5R1E105K050BE, Package=0402, Supplier Part Number 1=445-175215-1-ND, Voltage=25V, Supplier 1=Digi-Key
C13 C29: "±5% 100V Ceramic Capacitor C0G, NP0 0402 (1005 Metric)", Capacitance=150pF, Capacitor Type=Ceramic, Manufacturer=Yageo, Manufacturer Part Number=CGA2B2C0G2A151J050BE, Max Operating Temperature=125°C, Min Operating Temperature=-55°C, Negative Tolerance=5, Package Shape=Rectangular, Package Style=SMTMeter, Positive Tolerance=5%, Rated DC Voltage (URdc)=100V, Supplier Part Number 1=445-175654-1-ND, Temperature Characteristics Code=X7R, Category="Ceramic Capacitors", Dielectric Material=Ceramic, Height=0.5mm, JESD-609 Code=e3, Length=1mm, Mount="Surface Mount", Multilayer=Yes, Number of Pins=2, Pricing 1="1=0.10000, 10=0.04000, 50=0.02200, 100=0.01800, 500=0.01288, 1000=0.01012, 2500=0.00920, 5000=0.00846 (USD)", REACH SVHC=Yes, RoHS=Yes, RoHS Compliant=Yes, Size Code=0402, Supplier 1=Digi-Key, Termination=Wraparound, Width=0.5mm
C14 C44 C134: "Ceramic Capacitor, Multilayer, Ceramic, 50V, 1% +Tol, 1% -Tol, C0G, 30ppm/Cel TC, 0.00001uF, Surface Mount, 0402", Capacitance=10pF, Package=0402, Voltage=50V
C20 C21 C22 C50 C51 C52 C224 C232: "CAP CER 22UF 16V X5R 0805", Dielectric=X5R, Manufacturer 1="Murata Electronics", Manufacturer Part Number 1=GRM219R61C226ME15L, Package/Footprint=0805, Supplier Part Number 1=490-9952-1-ND, Voltage Rating=16V, Mounting Type=SMD, Supplier 1=Digi-Key
C24 C54: "100 pF ±10% 50V Ceramic Capacitor X7R 0402 (1005 Metric)", Capacitance=100pF, Manufacturer 1="AVX Corporation", Manufacturer Part Number 1=04025C101KAT2A, Package=0402, Supplier Part Number 1=478-1089-1-ND, Voltage=50V, Supplier 1=Digi-Key
C25 C55: "8200 pF ±10% 16V Ceramic Capacitor X7R 0402 (1005 Metric)", Capacitance=8.2nF, Manufacturer 1=Yageo, Manufacturer Part Number 1=CC0402KRX7R7BB822, Package=0402, Supplier Part Number 1=311-1041-1-ND, Voltage=16V, Supplier 1=Digi-Key
C26 C56: "0.027 µF ±10% 10V Ceramic Capacitor X7R 0402 (1005 Metric)", Capacitance=27nF, Capacitor Type=Ceramic, Manufacturer=Yageo, Manufacturer Part Number=CC0402KRX7R6BB273, Max Operating Temperature=125°C, Min Operating Temperature=-55°C, Negative Tolerance=10%, Package Shape=Rectangular, Package Style=SMTMeter, Rated DC Voltage (URdc)=10V, Supplier Part Number 1=311-3794-1-ND, Temperature Characteristics Code=X7R, Category="Ceramic Capacitors", Dielectric Material=Ceramic, Height=0.5mm, JESD-609 Code=e3, Length=1mm, Mount="Surface Mount", Multilayer=Yes, Number of Pins=2, Positive Tolerance=10%, Pricing 1="1=0.10000, 10=0.04000, 50=0.02200, 100=0.01800, 500=0.01288, 1000=0.01012, 2500=0.00920, 5000=0.00846 (USD)", REACH SVHC=Yes, RoHS=Yes, RoHS Compliant=Yes, Size Code=0402, Supplier 1=Digi-Key, Termination=Wraparound, Width=0.5mm
C27 C30 C57 C60: "1200 pF ±5% 50V Ceramic Capacitor X7R 0402 (1005 Metric)", Capacitance=1.2nF, Capacitor Type=Ceramic, Manufacturer=Yageo, Manufacturer Part Number=CC0402JRX7R9BB122, Max Operating Temperature=125°C, Min Operating Temperature=-55°C, Negative Tolerance=5, Package Shape=Rectangular, Package Style=SMTMeter, Positive Tolerance=5%, Rated DC Voltage (URdc)=50V, Supplier Part Number 1=311-3762-1-ND, Temperature Characteristics Code=X7R, Category="Ceramic Capacitors", Dielectric Material=Ceramic, Height=0.5mm, JESD-609 Code=e3, Length=1mm, Mount="Surface Mount", Multilayer=Yes, Number of Pins=2, Pricing 1="1=0.10000, 10=0.04000, 50=0.02200, 100=0.01800, 500=0.01288, 1000=0.01012, 2500=0.00920, 5000=0.00846 (USD)", REACH SVHC=Yes, RoHS=Yes, RoHS Compliant=Yes, Size Code=0402, Supplier 1=Digi-Key, Termination=Wraparound, Width=0.5mm
C43: "180 pF ±10% 50V Ceramic Capacitor X7R 0402 (1005 Metric)", Capacitance=180pF, Manufacturer 1="AVX Corporation", Manufacturer Part Number 1=04025C181KAT2A, Package=0402, Supplier Part Number 1=478-1092-1-ND, Voltage=50V, Supplier 1=Digi-Key
C59: "120 pF ±10% 50V Ceramic Capacitor X7R 0402 (1005 Metric)", Capacitance=120pF, Manufacturer 1="AVX Corporation", Manufacturer Part Number 1=04025C121KAT2A, Package=0402, Supplier Part Number 1=478-1090-1-ND, Voltage=50V, Supplier 1=Digi-Key
C61 C62 C63 C64 C65 C66 C67 C68 C69 C70 C71 C72 C73 C74 C75 C76 C77 C78 C79 C80 C81 C82 C83 C84 C85 C86 C87 C88 C89 C90 C91 C92 C105 C106 C107 C108 C109 C110 C111 C112 C113 C114 C115 C116 C117 C118 C119 C120 C121 C122 C123 C124 C125 C126 C127 C128 C183 C184 C185 C186 C187 C188 C189 C191 C233 C234 C235 C236 C237 C238 C241 C242 C243 C244 C245 C249 C263 C264 C265 C266 C267 C271 C272: "CAP CER 0.1UF 16V X7R 0402", Capacitance=0.1uF, Package=0402, Voltage Rating=16V, Mounting Type="Surface Mount", Supplier 1=Digi-Key
C129 C130 C131: "CAP CER 1000pF 50V X7R 0805", Dielectric=X7R, Manufacturer 1=Samsung, Manufacturer Part Number 1=CL21B102KBANNNC, Package/Footprint=0805, Supplier Part Number 1=1276-1020-1-ND, Voltage Rating=50V, Mounting Type=SMD, Supplier 1=Digi-Key
C133 C136 C139 C190 C215 C221 C223 C226 C230 C239 C240 C246: "CAP CER 10UF 10V X5R 0603", Dielectric=X5R, Manufacturer 1=Yageo, Manufacturer Part Number 1=CC0603MRX5R6BB106, Supplier Part Number 1=311-1817-1-ND, Voltage Rating=10V, Supplier 1=Digi-Key
C135 C270: "CAP CER 10000PF 16V X7R 0805", Manufacturer 1=Yageo, Manufacturer Part Number 1=AC0805KRX7R7BB103, Supplier Part Number 1=311-3161-1-ND, Voltage Rating=16V, Supplier 1=Digi-Key
C137 C138 C140 C247: "CAP CER 1UF 16V Y5V 0603", Dielectric=Y5V, Manufacturer 1=Yageo, Manufacturer Part Number 1=CC0603ZRY5V7BB105, Package/Footprint=0603, Supplier Part Number 1=311-1372-1-ND, Voltage Rating=16V, Mounting Type=SMD, Supplier 1=Digi-Key
C154 C155: "CAP CER 33PF 25V C0G/NP0 0402", Dielectric=C0G, Manufacturer 1="AVX Corporation", Manufacturer Part Number 1=04023A330JAT2A, Package/Footprint=0402, Supplier Part Number 1=478-12613-1-ND, Voltage Rating=25V, Mounting Type=SMD, Supplier 1=Digi-Key
C156 C197 C201: "CAP CER 1UF 10V X5R 0402", Capacitance=1μF, Manufacturer="Kyocera AVX", Manufacturer Part Number=0402ZD105MAT2A, Package=0402, Rated DC Voltage (URdc)=10V, Supplier Part Number 1=478-5768-1-ND, Temperature Characteristics Code=X5R, ComponentLink7Description=https://datasheet.ciiva.com/11531/cx5r-11531784.pdf?src-supplier=Avnet, ComponentLink7URL=https://datasheet.ciiva.com/11531/cx5r-11531784.pdf?src-supplier=Avnet, Mounting Type="Surface Mount", Supplier 1=Digi-Key
C157: "CAP CER 10UF 50V X5R 1206", Dielectric=X5R, Manufacturer 1=Murata, Manufacturer Part Number 1=GRT31CR61H106KE01L, Package/Footprint=1206, Supplier Part Number 1=490-12456-1-ND, Voltage Rating=50V, Mounting Type=SMD, Supplier 1=Digi-Key
C174: "CAP CER 12PF 50V C0G 0402", Dielectric="C0G, NP0", Manufacturer 1="TDK Corporation", Manufacturer Part Number 1=CC0603KRX7R9BB104, Package/Footprint=0402, Supplier Part Number 1=445-5585-1-ND, Tolerance=±5%, Voltage Rating=50V, Mounting Type=SMD, Supplier 1=Digi-Key
C192 C193 C194 C195 C198 C199 C200 C202 C203 C204 C205 C206 C207 C208 C209 C210: "CAP CER 0.01uF 16V X7R 0402", Capacitance=0.01μF, Manufacturer=KEMET, Manufacturer Part Number=C0402C103J4RACTU, Supplier Part Number 1=399-1039-1-ND, Voltage Rating=16V, Mounting Type="Surface Mount", Supplier 1=Digi-Key
C196: "CAP CER 10UF 10V X6S 0805", Manufacturer 1="Taiyo Yuden", Manufacturer Part Number 1=LMK212AC6106MD-T, Package=0805, Supplier Part Number 1=587-6337-1-ND, Voltage Rating=10V, Supplier 1=Digi-Key